# Altium PCB 主板_V1.0.PcbDoc (part 1 of 2)
Units mm, origin at the board's own origin, x right, y up, seen from the top; angles counter-clockwise.
Board outline 125 x 53.81 mm, 2 copper layers (Top Layer, Bottom Layer); 125 components, 128 nets, 570 pads, 78 vias.
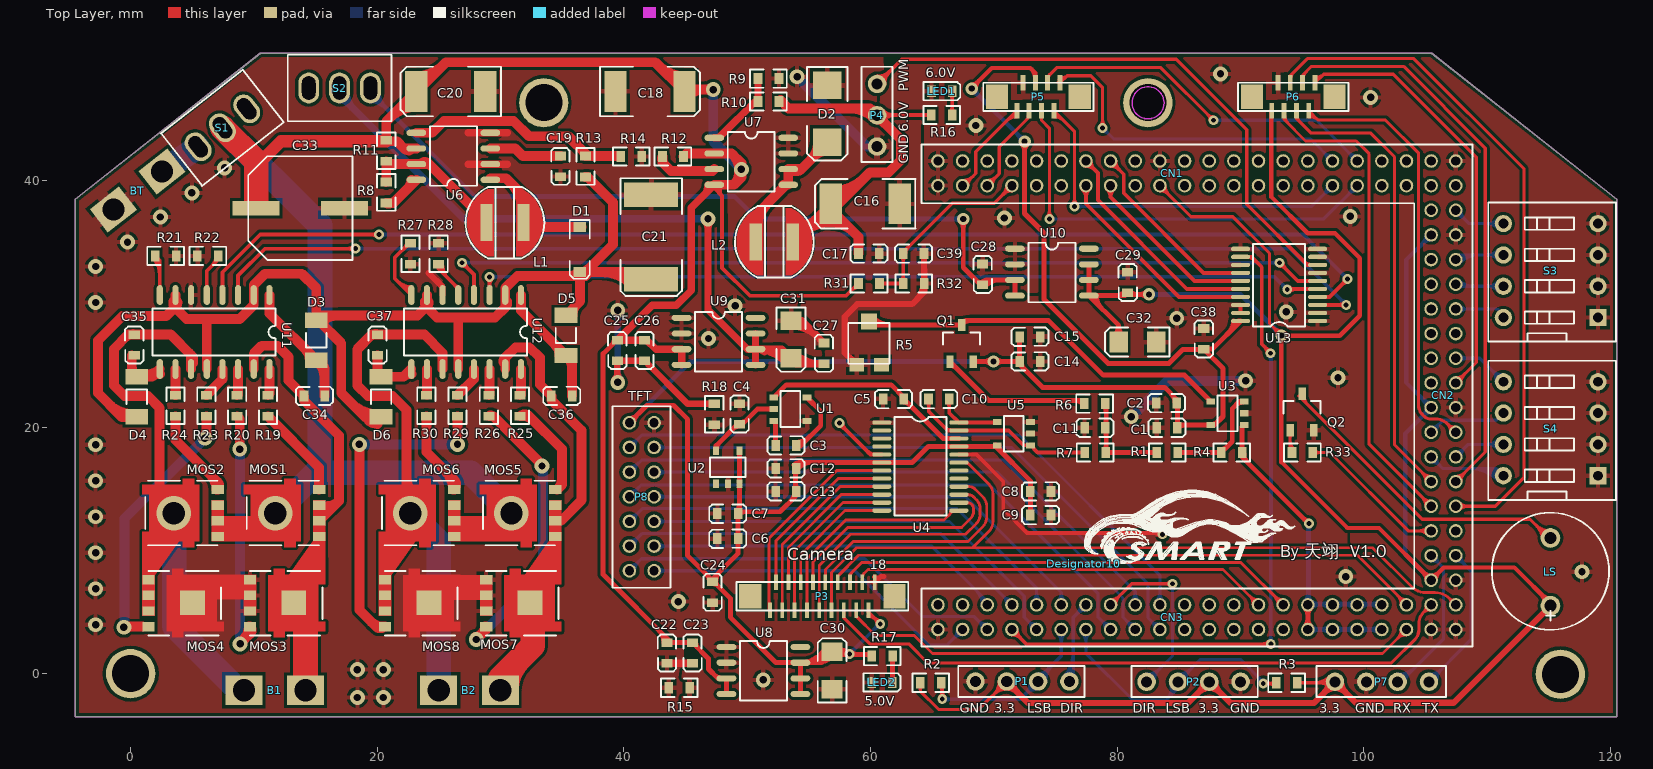
[diagram p0: Top Layer view]
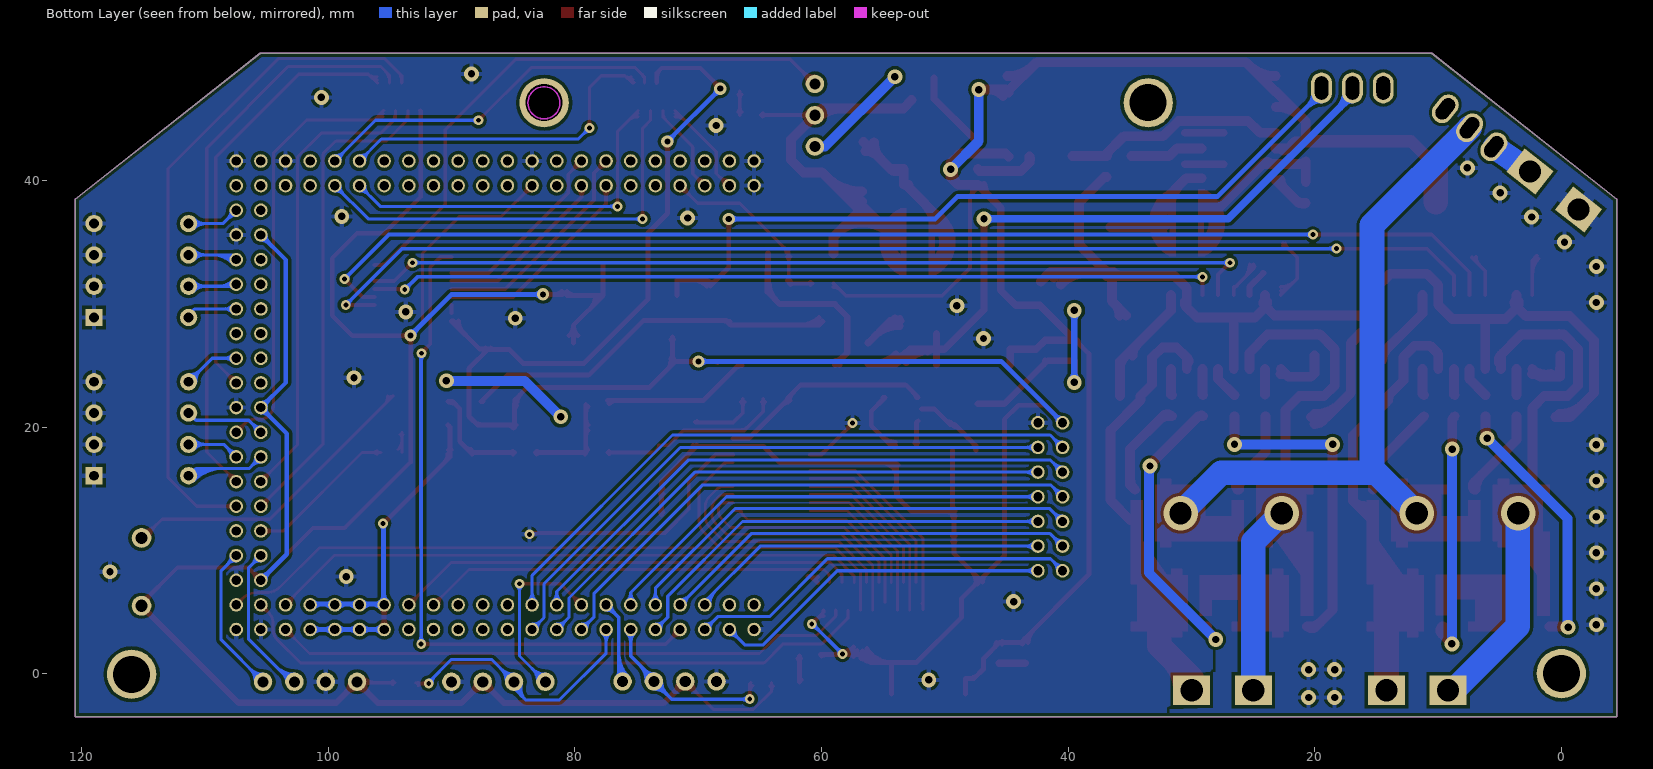
[diagram p1: Bottom Layer view, seen from below]
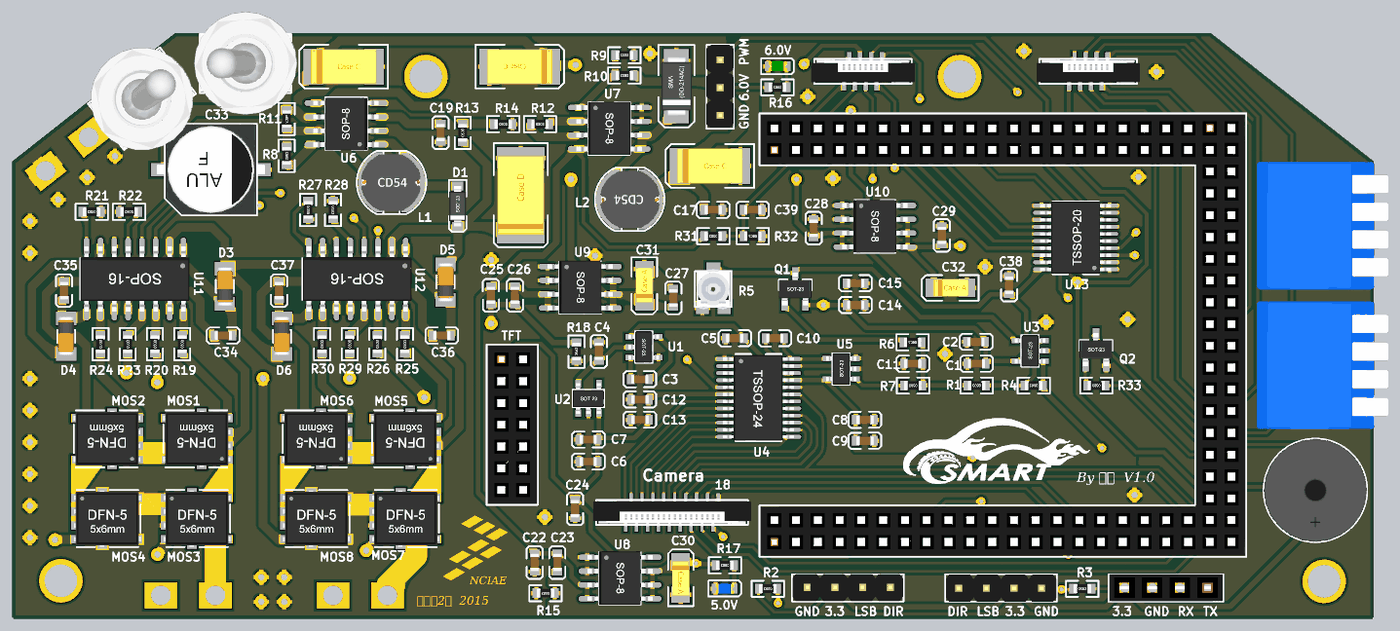
[diagram p3: 3D render of the assembled board from above, using the file's embedded part models]

## Layer stack, top to bottom
Top Layer: signal copper 0.0356
Dielectric: dielectric 0.32, FR-4, Dk 4.8
Bottom Layer: signal copper 0.0356

## Board outline
-4.485,-3.506 120.515,-3.506 120.515,38.494 105.523,50.306 10.507,50.306 -4.485,38.494

## Design rules (kind name [scope] priority, off if disabled: settings)
Clearance [All] p1: gap=0.229
ComponentClearance [All] p1: gap=0 collisioncheckmode=3 verticalgap=0 showdistances=FALSE
FabricationTestPointUsage TestPointUsage [All] p1: valid=0 allowmultiple=FALSE
FabricationTestpoint Testpoint [All] p1: side=3 testpointundercomponent=TRUE minsize=1.016 maxsize=2.54 preferedsize=1.524 minholesize=0 maxholesize=1.016 preferedholesize=0.813 testpointgrid=0.025 allowsidetop=TRUE allowsidebottom=TRUE usegrid=TRUE gridtolerance=0
HoleSize [All] p1: absolutevalues=TRUE maxlimit=3 minlimit=0.025 maxpercent=80.000 minpercent=20.000
PlaneConnect PlaneConnect_1 [InComponent('BT')] p1: planeconnectstyle=Relief reliefexpansion=0.508 reliefentries=4 reliefconductorwidth=0.762 reliefairgap=0.254
PlaneConnect [All] p2: planeconnectstyle=Relief reliefexpansion=0.508 reliefentries=4 reliefconductorwidth=0.254 reliefairgap=0.254
PolygonConnect PolygonConnect_2 [InComponent('P4')] p1: connectstyle=Relief reliefconductorwidth=0.508 reliefentries=4 polygonreliefangle="90 Angle" airgapwidth=0.254
PolygonConnect PolygonConnect_1 [InComponent('BT')] p2: connectstyle=Relief reliefconductorwidth=1.016 reliefentries=4 polygonreliefangle="90 Angle" airgapwidth=0.254
PolygonConnect [All] p3: connectstyle=Relief reliefconductorwidth=0.381 reliefentries=4 polygonreliefangle="90 Angle" airgapwidth=0.254
RoutingVias [All] p1: holewidth=0.711 width=1.27 viastyle="Through Hole" minholewidth=0.711 minwidth=1.27 maxholewidth=0.711 maxwidth=1.27
SilkToSolderMaskClearance SilkscreenOverComponentPads [IsPad] p1: minsilkscreentomaskgap=0.254 clearancetoexposedcopper=TRUE
SolderMaskExpansion [All] p1: expansion=0.102
Width [All] p1: maxlimit=3.988 minlimit=0.203 preferedwidth=0.813
22 further rules are at their usual default settings.

## Classes and differential pairs
component class 主控: C38 C39 CN1 CN2 CN3 P5 P6 P7 R31 R32 U13
component class 人机交互: LS P8 Q2 R33 S3 S4
component class 传感器: C1 C2 C3 C4 C5 C6 C7 C8 C9 C10 C11 C12 C13 C14 C15 P1 P2 P3 Q1 R1 R2 R3 R4 R5 R6 R7 U1 U2 U3 U4 U5
component class 电源: BT C16 C17 C18 C19 C20 C21 C22 C23 C24 C25 C26 C27 C28 C29 C30 C31 C32 C33 D1 D2 L1 L2 LED1 LED2 R8 R9 R10 R11 R12 R13 R14 R15 R16 R17 R18 S1 S2 U6 U7 U8 U9 U10
component class 驱动: B1 B2 C34 C35 C36 C37 D3 D4 D5 D6 MOS1 MOS2 MOS3 MOS4 MOS5 MOS6 MOS7 MOS8 P4 R19 R20 R21 R22 R23 R24 R25 R26 R27 R28 R29 R30 U11 U12

## Components (designator, comment, footprint, x,y, rotation, side; value= is the part's Value field where it differs from the comment)
B1 "Motor" Header-5.0-SMD 9.18,-1.347 r0 top
B2 "Motor" Header-5.0-SMD 24.979,-1.347 r0 top
BT "Battery" Header-5.0-SMD 2.54,40.716 r218 top
C1 "0.1uF" CAP-0603 84.887,19.943 r180 top
C2 "10uF" CAP-0603 84.847,21.945 r180 top
C3 "1uF" CAP-0603 53.986,18.517 r180 top
C4 "0.1uF" CAP-0603 49.389,20.218 r90 top
C5 "1uF" CAP-0603 62.698,22.275 r180 top
C6 "10uF" CAP-0603 49.262,10.947 r180 top
C7 "0.1uF" CAP-0603 49.262,12.979 r180 top
C8 "10uF" CAP-0603 72.963,14.777 r0 top
C9 "0.1uF" CAP-0603 72.963,12.856 r0 top
C10 "1.5pF" CAP-0603 66.381,22.275 r180 top
C11 "470pF" CAP-0603 79.045,19.943 r180 top
C12 "0.1uF" CAP-0603 52.31,16.645 r0 top
C13 "10uF" CAP-0603 52.31,14.782 r0 top
C14 "10uF" CAP-0603 72.096,25.323 r0 top
C15 "0.1uF" CAP-0603 72.096,27.319 r0 top
C16 "100uF" CASE-C_6032-28 56.78,38.099 r0 top
C17 "0.1uF" CAP-0603 59.03,34.061 r0 top
C18 "100uF" CASE-C_6032-28 44.918,47.218 r180 top
C19 "180pF" CAP-0603 34.86,40.31 r90 top
C20 "100uF" CASE-C_6032-28 23.165,47.218 r0 top
C21 "100uF/25V" CASE-D_7343-31 42.215,31.979 r90 top
C22 "10uF" CAP-0603 43.492,0.833 r90 top
C23 "0.1uF" CAP-0603 45.575,0.833 r90 top
C24 "0.1uF" CAP-0603 47.204,5.765 r90 top
C25 "10uF" CAP-0603 39.472,25.375 r90 top
C26 "0.1uF" CAP-0603 41.681,25.375 r90 top
C27 "0.1uF" CAP-0603 56.221,26.822 r270 top
C28 "0.1uF" CAP-0603 69.099,33.222 r270 top
C29 "0.1uF" CAP-0603 80.859,32.562 r270 top
C30 "10uF" CASE-A_3216-18 56.896,1.778 r270 top
C31 "10uF" CASE-A_3216-18 53.554,25.577 r90 top
C32 "10uF" CASE-A_3216-18 80.123,26.898 r0 top
C33 "470uF" CAP-ALU-F_8.0x8.3x10.2 10.171,37.744 r180 top
C34 "1uF" CAP-0603 14.057,22.52 r0 top
C35 "1uF" CAP-0603 0.29,27.492 r270 top
C36 "1uF" CAP-0603 34.123,22.52 r0 top
C37 "1uF" CAP-0603 20.026,27.492 r270 top
C38 "0.1uF" CAP-0603 87.031,27.99 r270 top
C39 "0.1uF" CAP-0603 62.662,34.061 r0 top
CN1 "CON-20X2" Female-Header-2.00-Double-40 65.472,39.579 r90 top
CN2 "CON-20X2" Female-Header-2.00-Double-40 105.472,41.579 r0 top
CN3 "CON-20X2" Female-Header-2.00-Double-40 65.472,3.579 r90 top
D1 "IN5819" Diode-SMD-SOD-123 36.424,32.563 r90 top
D2 "IN5824" Diode-SMD-SMA 56.501,43.103 r90 top
D3 "IN4148" Diode-SMD-1206 15.073,25.45 r90 top
D4 "IN4148" Diode-SMD-1206 0.468,24.053 r270 top
D5 "IN4148" Diode-SMD-1206 35.328,25.831 r90 top
D6 "IN4148" Diode-SMD-1206 20.28,24.053 r270 top
Designator10 "Comment" smart 77.318,8.915 r180 top
L1 "220uH" Inductor-CD-54 30.353,36.576 r270 top
L2 "33uH" Inductor-CD-54 52.208,35.026 r90 top
LED1 "LED" LED-GRE-0603 66.635,47.218 r0 top
LED2 "LED" LED-BLU-0603 61.773,-0.712 r0 top
LS "Buzzer" BUZZER_9.5*6MM 115.149,8.305 r90 top
MOS1 "4852" DFN-5_5X6MM 13.504,13.03 r270 top
MOS2 "4852" DFN-5_5X6MM 5.274,13.03 r270 top
MOS3 "4852" DFN-5_5X6MM 11.455,5.715 r90 top
MOS4 "4852" DFN-5_5X6MM 3.226,5.715 r90 top
MOS5 "4852" DFN-5_5X6MM 32.656,13.03 r270 top
MOS6 "4852" DFN-5_5X6MM 24.46,13.03 r270 top
MOS7 "4852" DFN-5_5X6MM 30.607,5.715 r90 top
MOS8 "4852" DFN-5_5X6MM 22.412,5.715 r90 top
P1 "编码器" Pin-Header-2.54-Single-4 68.515,-0.636 r90 top
P2 "编码器" Pin-Header-2.54-Single-4 90.018,-0.661 r270 top
P3 "摄像头" "Header-FPC-ZIF-SMD-Vertical Single-0.5-18" 56.094,6.273 r0 top
P4 "舵机" Pin-Header-2.54-Single-3 60.539,47.827 r0 top
P5 "红外检测" "Header-FPC-ZIF-SMD-Vertical Single-0.5-8" 73.62,46.786 r180 top
P6 "预留接口" "Header-FPC-ZIF-SMD-Vertical Single-0.5-8" 94.296,46.786 r180 top
P7 "蓝牙" Female-Header-2.54-Single-4 105.294,-0.661 r270 top
P8 "1.8-TFT-128*160" Female-Header-2.00-Double-14 40.448,20.345 r0 top
Q1 "S8550" SOT-23-3 67.397,26.974 r90 top
Q2 "8050" SOT-23-3 95.007,21.411 r90 top
R1 "1K" RES-0603 84.912,17.932 r180 top
R2 "10K" RES-0603 65.746,-0.737 r180 top
R3 "10K" RES-0603 92.899,-0.738 r0 top
R4 "10K" RES-0603 90.145,17.932 r180 top
R5 "1K" RES-Adj_PVZ3 58.888,25.238 r0 top
R6 "39K" RES-0603 79.03,21.894 r180 top
R7 "1K" RES-0603 79.07,17.932 r180 top
R8 "180R" RES-0603 20.727,38.176 r90 top
R9 "1K" RES-0603 52.578,48.259 r180 top
R10 "6.6K" RES-0603 52.578,46.406 r180 top
R11 "0.22R" RES-0603 20.726,43.256 r270 top
R12 "2.7K" RES-0603 43.129,41.935 r0 top
R13 "10K" RES-0603 36.881,40.284 r90 top
R14 "1K" RES-0603 39.751,41.935 r0 top
R15 "0R" RES-0603 45.339,-1.143 r180 top
R16 "3K" RES-0603 66.624,45.313 r180 top
R17 "2K" RES-0603 61.798,1.422 r180 top
R18 "0R" RES-0603 47.331,20.192 r90 top
R19 "5.1R" RES-0603 11.136,20.879 r90 top
R20 "5.1R" RES-0603 8.639,20.879 r90 top
R21 "10K" RES-0603 3.683,33.884 r180 top
R22 "10K" RES-0603 5.41,33.884 r0 top
R23 "5.1R" RES-0603 6.141,20.879 r90 top
R24 "5.1R" RES-0603 3.643,20.879 r90 top
R25 "5.1R" RES-0603 31.583,20.878 r90 top
R26 "5.1R" RES-0603 29.048,20.879 r90 top
R27 "10K" RES-0603 22.693,33.197 r90 top
R28 "10K" RES-0603 24.979,34.899 r270 top
R29 "5.1R" RES-0603 26.513,20.879 r90 top
R30 "5.1R" RES-0603 23.978,20.879 r90 top
R31 "59K(1%)" RES-0603 60.731,31.648 r180 top
R32 "20K(1%)" RES-0603 64.364,31.648 r180 top
R33 "10K" RES-0603 95.885,17.932 r180 top
S1 "Key-3" SW-3-SMTS-102 7.442,44.272 r218 top
S2 "Key-3" SW-3-SMTS-102 16.942,47.498 r0 top
S3 "Switch" SW-Piano-DIP-4 118.999,28.88 r180 top
S4 "Switch" SW-Piano-DIP-4 118.999,16.053 r180 top
U1 "TPS60403" SOT-23-5 52.157,22.402 r0 top
U2 "LM4132" SOT-23-5 47.484,15.392 r90 top
U3 "AD8031" SOT-23-5 90.308,20.167 r180 top
U4 "AD5440" TSSOP-24 60.92,20.37 r0 top
U5 "AD8065" SOT-23-5 72.974,18.517 r180 top
U6 "MC34063" SOP-8 29.17,40.055 r180 top
U7 "AS1015" SOP-8 47.331,43.459 r0 top
U8 "TPS7350" SOP-8 48.322,2.158 r0 top
U9 "TPS7350" SOP-8 44.679,28.854 r0 top
U10 "TPS7333" SOP-8 71.715,34.467 r0 top
U11 "HIP4082" SOP-16 11.252,30.709 r270 top
U12 "HIP4082" SOP-16 31.648,30.709 r270 top
U13 "SN74AHCT245" TSSOP-20 96.266,28.6 r180 top

## Footprints (in the part's own frame and the unit in brackets; to place one, negate y for a bottom-side part, rotate by r counter-clockwise, add the part's x,y. Pads: shape width x height; smd on the part's side, far side on the other; paste and mask are expansions set on the pad)
BUZZER_9.5*6MM [mm]
  round 1.6 hole 1: A(-2.8,0) K(2.7,0)
  silkscreen extent -4.75,-4.75 4.75,4.75, body extent -4.75,-4.75 4.75,4.75, height 6
CAP-0603 [mm]
  rect 0.7x0.9 smd: 1(0,0) 2(1.676,0)
  silkscreen extent -0.66,-0.74 2.34,0.75, body extent 0.05,-0.4 1.65,0.4, height 0.6
CAP-ALU-F_8.0x8.3x10.2 [mm]
  rect 3.8x1.2 smd: A(0,0) K(-7.181,0)
  silkscreen extent -7.82,-4.22 0.64,4.19, body extent -8.56,-4.18 1.34,4.12, height 10.2
CASE-A_3216-18 [mil]
  rect 59x67 smd: A(0,0) K(120,0)
  silkscreen extent -43,-46 162,46, body extent -1,-31 125,32, height 63
CASE-C_6032-28 [mil]
  rect 71x130 smd: A(0,0) K(220,0)
  silkscreen extent -50,-79 270,79, body extent -8,-63 228,63, height 98
CASE-D_7343-31 [mil]
  rect 78x172 smd: A(0,0) K(270,0)
  silkscreen extent -53,-98 323,98, body extent -9,-85 279,85, height 110
DFN-5_5X6MM [mm]
  rect 2x2 smd: D(0.025,-1.782)
  rect 0.75x1 smd: G(-1.905,1.782) S(-0.635,1.782) S(0.635,1.782) S(1.905,1.782)
  Top Layer region: -2.775,-1.038 -2.286,-1.039 -2.286,-4.331 -1.524,-4.331 -1.524,-3.772 1.524,-3.772 1.524,-4.331 2.286,-4.331 2.286,-1.039 2.775,-1.038 2.775,-0.133 2.28,-0.133 2.28,0.292 -2.28,0.292 -2.28,-0.133 -2.775,-0.133
  silkscreen extent -2.62,-4.09 2.62,1.78, body extent -2.58,-4.11 2.57,2.04, height 1
Diode-SMD-1206 [mm]
  rect 1.25x1.85 smd: A(3.225,0.025) K(-0.025,0.025)
  silkscreen extent 1,-0.8 2.2,0.85, body extent -0.18,-0.75 3.32,0.75, height 1.49
Diode-SMD-SMA [mm]
  rect 2.2x2.3 smd: A(4.623,0) K(0,0)
  silkscreen extent -1.47,-1.65 6.1,1.65, body extent -0.44,-1.42 5.06,1.38, height 2.6
Diode-SMD-SOD-123 [mm]
  rect 0.8x1 smd: A(3.676,0) K(0,0)
  silkscreen extent -0.53,-0.81 4.24,0.81, body extent -0.02,-0.77 3.68,0.78, height 1.35
Female-Header-2.00-Double-14 [mm]
  round 1.1 hole 0.75: 1(0,0) 2(2,0) 3(0,-2) 4(2,-2) 5(0,-4) 6(2,-4) 7(0,-6) 8(2,-6) 9(0,-8) 10(2,-8) 11(0,-10) 12(2,-10) 13(0,-12) 14(2,-12)
  silkscreen extent -1.37,-13.37 3.34,1.35, body extent -1.27,-13.27 3.23,1.23, height 4.15
Female-Header-2.00-Double-40 [mm]
  round 1.1 hole 0.75: 1(0,0) 2(2,0) 3(0,-2) 4(2,-2) 5(0,-4) 6(2,-4) 7(0,-6) 8(2,-6) 9(0,-8) 10(2,-8) 11(0,-10) 12(2,-10) 13(0,-12) 14(2,-12) 15(0,-14) 16(2,-14) 17(0,-16) 18(2,-16) 19(0,-18) 20(2,-18) 21(0,-20) 22(2,-20) 23(0,-22) 24(2,-22) 25(0,-24) 26(2,-24) 27(0,-26) 28(2,-26) 29(0,-28) 30(2,-28) 31(0,-30) 32(2,-30) 33(0,-32) 34(2,-32) 35(0,-34) 36(2,-34) 37(0,-36) 38(2,-36) 39(0,-38) 40(2,-38)
  silkscreen extent -1.43,-39.37 3.34,1.35, body extent -1.27,-39.26 3.23,1.24, height 4.15
Female-Header-2.54-Single-4 [mm]
  round 1.5 hole 0.9: 1(0,0) 2(0,-2.54) 3(0,-5.08) 4(0,-7.62)
  silkscreen extent -1.27,-9.13 1.24,1.4, body extent -1.27,-9.06 1.23,1.35, height 8.65
Header-5.0-SMD [mm]
  rect 3x2.4 hole 1.8: 1(0,0) 2(5,0)
"Header-FPC-ZIF-SMD-Vertical Single-0.5-8" [mm]
  rect 1.8x2 smd: 0(-3.35,0) 0(3.35,0)
  rect 0.4x1.25 smd: 1(-1.75,-1.125) 2(-1.25,1.125) 3(-0.75,-1.125) 4(-0.25,1.125) 5(0.25,-1.125) 6(0.75,1.125) 7(1.25,-1.125) 8(1.75,1.125)
  silkscreen extent -4.47,-1.14 4.47,1.15, body extent -4.75,-1.26 4.75,1.28, height 4.58
"Header-FPC-ZIF-SMD-Vertical Single-0.5-18" [mm]
  rect 1.8x2 smd: 0(-5.85,0) 0(5.85,0)
  rect 0.3x1.25 smd: 1(-4.25,-1.125) 2(-3.75,1.125) 3(-3.25,-1.125) 4(-2.75,1.125) 5(-2.25,-1.125) 6(-1.75,1.125) 7(-1.25,-1.125) 8(-0.75,1.125) 9(-0.25,-1.125) 10(0.25,1.125) 11(0.75,-1.125) 12(1.25,1.125) 13(1.75,-1.125) 14(2.25,1.125) 15(2.75,-1.125) 16(3.25,1.125) 17(3.75,-1.125) 18(4.25,1.125)
  silkscreen extent -6.97,-1.14 6.97,1.15, body extent -7.24,-1.27 7.26,1.27, height 4.58
Inductor-CD-54 [mm]
  rect 3x1 smd: 1(0,1.5) 2(0,-1.5)
  Top Layer region: -2.743,-1.379 2.736,-1.379 2.736,-0.889 -2.743,-0.889
  Top Layer region: 2.741,1.407 -2.738,1.407 -2.738,0.884 2.741,0.884
  Top Layer lines w0.229: 2.616,-1.397 cw(c0,-0.025) -2.625,-1.38 ; 2.625,1.38 ccw(c0,0.025) -0.171,2.974 ccw(c0,0.025) -2.616,1.397
  Top Layer lines w0.5: 2.406,-1.225 cw(c0,0) -2.449,-1.137 ; 2.455,1.24 ccw(c0,0) -0.171,2.745 ccw(c0,0) -2.451,1.248
  Top Layer lines w0.9: 1.718,-1.374 cw(c0,0) -1.748,-1.336 ; 1.748,1.336 ccw(c0,0) -1.718,1.374
  silkscreen extent -2.9,-3.2 2.9,3.2, body extent -2.6,-2.8 2.6,2.71, height 4.55
LED-BLU-0603 [mm]
  rect 0.7x0.9 smd: A(0,0) K(-1.676,0)
  silkscreen extent -2.34,-0.73 0.66,0.75, body extent -1.69,-0.47 0.01,0.43, height 0.9
LED-GRE-0603 [mm]
  rect 0.7x0.9 smd: A(-0.012,0.018) K(-1.688,0.018)
  silkscreen extent -2.35,-0.71 0.65,0.76, body extent -1.69,-0.42 0.01,0.48, height 0.9
Pin-Header-2.54-Single-3 [mm]
  round 1.5 hole 0.9: 1(0,0) 2(0,-2.54) 3(0,-5.08)
  silkscreen extent -1.27,-6.32 1.24,1.4, body extent -1.27,-6.25 1.22,1.37, height 8.3
Pin-Header-2.54-Single-4 [mm]
  round 1.5 hole 0.9: 1(0,0) 2(0,-2.54) 3(0,-5.08) 4(0,-7.62)
  silkscreen extent -1.27,-8.84 1.24,1.4, body extent -1.23,-8.79 1.27,1.37, height 8.3
RES-0603 [mm]
  rect 0.7x0.9 smd: 1(0,0) 2(1.702,0)
  silkscreen extent -0.64,-0.74 2.34,0.74, body extent 0.05,-0.4 1.65,0.4, height 0.47
RES-Adj_PVZ3 [mm]
  rect 1.2x1.1 smd: 1(0,-0.178) 3(2,-0.178)
  rect 1.3x1.3 smd: 2(1,3.326)
  silkscreen extent -0.69,-0.1 2.67,3.2, body extent -0.56,-0.3 2.54,3.39, height 1.95
smart [mm]
  silkscreen extent -17.09,-5.97 -0.05,-0.05
SOP-8 [mm]
  oval 1.6x0.5 smd: 1(0,0) 2(0,-1.27) 3(0,-2.54) 4(0,-3.81) 5(6,-3.81) 6(6,-2.54) 7(6,-1.27) 8(6,0)
  silkscreen extent 1.09,-4.34 4.9,0.48, body extent 0,-4.36 6,0.54, height 1.75
SOP-16 [mm]
  oval 1.6x0.5 smd: 1(0,0) 2(0,-1.27) 3(0,-2.54) 4(0,-3.81) 5(0,-5.08) 6(0,-6.35) 7(0,-7.62) 8(0,-8.89) 9(6,-8.89) 10(6,-7.62) 11(6,-6.35) 12(6,-5.08) 13(6,-3.81) 14(6,-2.54) 15(6,-1.27) 16(6,0)
  silkscreen extent 1.09,-9.47 4.9,0.48, body extent 0,-9.45 6,0.55, height 1.75
SOT-23-3 [mm]
  rect 1x0.6 smd: 1(-1.679,0.95) 2(-1.679,-0.95) 3(1.302,0)
  silkscreen extent -0.3,-1.5 0.7,1.5, body extent -1.68,-1.5 1.32,1.5, height 1.3
SOT-23-5 [mm]
  rect 0.7x0.5 smd: 1(0,0) 2(0,-0.95) 3(0,-1.9) 4(2.7,-1.9) 5(2.7,0)
  silkscreen extent 0.55,-2.39 2.15,0.51, body extent -0.06,-2.39 2.74,0.51, height 1.45
SW-3-SMTS-102 [mm]
  oval 1.7x2.5 hole 1.1 slot 1.9 at 90 deg: 1(-2.5,0) 2(0,0) 3(2.5,0)
  silkscreen extent -4.2,-2.7 4.2,2.7, body extent -4.71,-4.7 4.74,4.75, height 23.69
SW-Piano-DIP-4 [mm]
  rect 1.4x1.4 hole 0.8: 1(0,0)
  round 1.4 hole 0.8: 2(0,-2.54) 3(0,-5.08) 4(0,-7.62) 5(7.67,-7.62) 6(7.67,-5.08) 7(7.67,-2.54) 8(7.67,0)
  silkscreen extent -1.46,-9.32 8.89,1.96, body extent -2.85,-9.59 9.25,2.13, height 9.1
TSSOP-20 [mm]
  oval 1.55x0.35 smd: 1(0,0) 2(0,-0.65) 3(0,-1.3) 4(0,-1.95) 5(0,-2.6) 6(0,-3.25) 7(0,-3.9) 8(0,-4.55) 9(0,-5.2) 10(0,-5.85) 11(6.25,-5.85) 12(6.25,-5.2) 13(6.25,-4.55) 14(6.25,-3.9) 15(6.25,-3.25) 16(6.25,-2.6) 17(6.25,-1.95) 18(6.25,-1.3) 19(6.25,-0.65) 20(6.25,0)
  silkscreen extent 1.02,-6.25 5.23,0.46, body extent -0.13,-6.22 6.37,0.38, height 1.2
TSSOP-24 [mm]
  oval 1.55x0.35 smd: 1(0,0) 2(0,-0.65) 3(0,-1.3) 4(0,-1.95) 5(0,-2.6) 6(0,-3.25) 7(0,-3.9) 8(0,-4.55) 9(0,-5.2) 10(0,-5.85) 11(0,-6.5) 12(0,-7.15) 13(6.25,-7.15) 14(6.25,-6.5) 15(6.25,-5.85) 16(6.25,-5.2) 17(6.25,-4.55) 18(6.25,-3.9) 19(6.25,-3.25) 20(6.25,-2.6) 21(6.25,-1.95) 22(6.25,-1.3) 23(6.25,-0.65) 24(6.25,0)
  silkscreen extent 1.02,-7.54 5.23,0.46, body extent -0.18,-7.52 6.37,0.38, height 1.2

## Part data
C1 C2 C3 C4 C5 C6 C7 C8 C9 C10 C11 C12 C13 C14 C15 C17 C19 C22 C23 C24 C25 C26 C27 C28 C29 C34 C35 C36 C37 C38 C39: library part Cap
C16 C18 C20 C21 C30 C31 C32: library part Cap-Pol_1
C33: library part Cap-Pol_2
D1 D2 D3 D4 D5 D6: library part Diode-Schottky
L1 L2: library part Inductor
MOS1 MOS2 MOS3 MOS4 MOS5 MOS6 MOS7 MOS8: library part N-MOS
P1 P2 P7: library part CON-4X1
P3: library part CON-18X1
P4: library part CON-3X1
P5 P6: library part CON-8X1
P8: library part CON-7X2
Q1: library part PNP
Q2: library part NPN
R1 R2 R3 R4 R6 R7 R8 R9 R10 R11 R12 R13 R14 R15 R16 R17 R18 R19 R20 R21 R22 R23 R24 R25 R26 R27 R28 R29 R30 R31 R32 R33: library part Res
R5: library part Res-Adj
S3 S4: library part Switch-DIP-4
U3 U5: library part "Op Amp_AD8065"
U10: library part TPS7350

## Free pads (board coordinates)
  round 4 hole 3: 0(0,0) 0(33.503,46.304) 0(82.499,46.304) 0(115.951,-0.051)

## Via types
v1: diameter 1.2, hole 0.6, Top Layer to Bottom Layer, 46 vias
v2: diameter 0.8, hole 0.4, Top Layer to Bottom Layer, 22 vias
v3: diameter 1, hole 0.5, Top Layer to Bottom Layer, 6 vias
v4: diameter 2.8, hole 1.8, Top Layer to Bottom Layer, 4 vias
